# Allegro board RK3588S_Template_LP4XD556P164SD10H2_33X33_2133MHz_H1R0_V10_20220315YWQ.brd (continued)
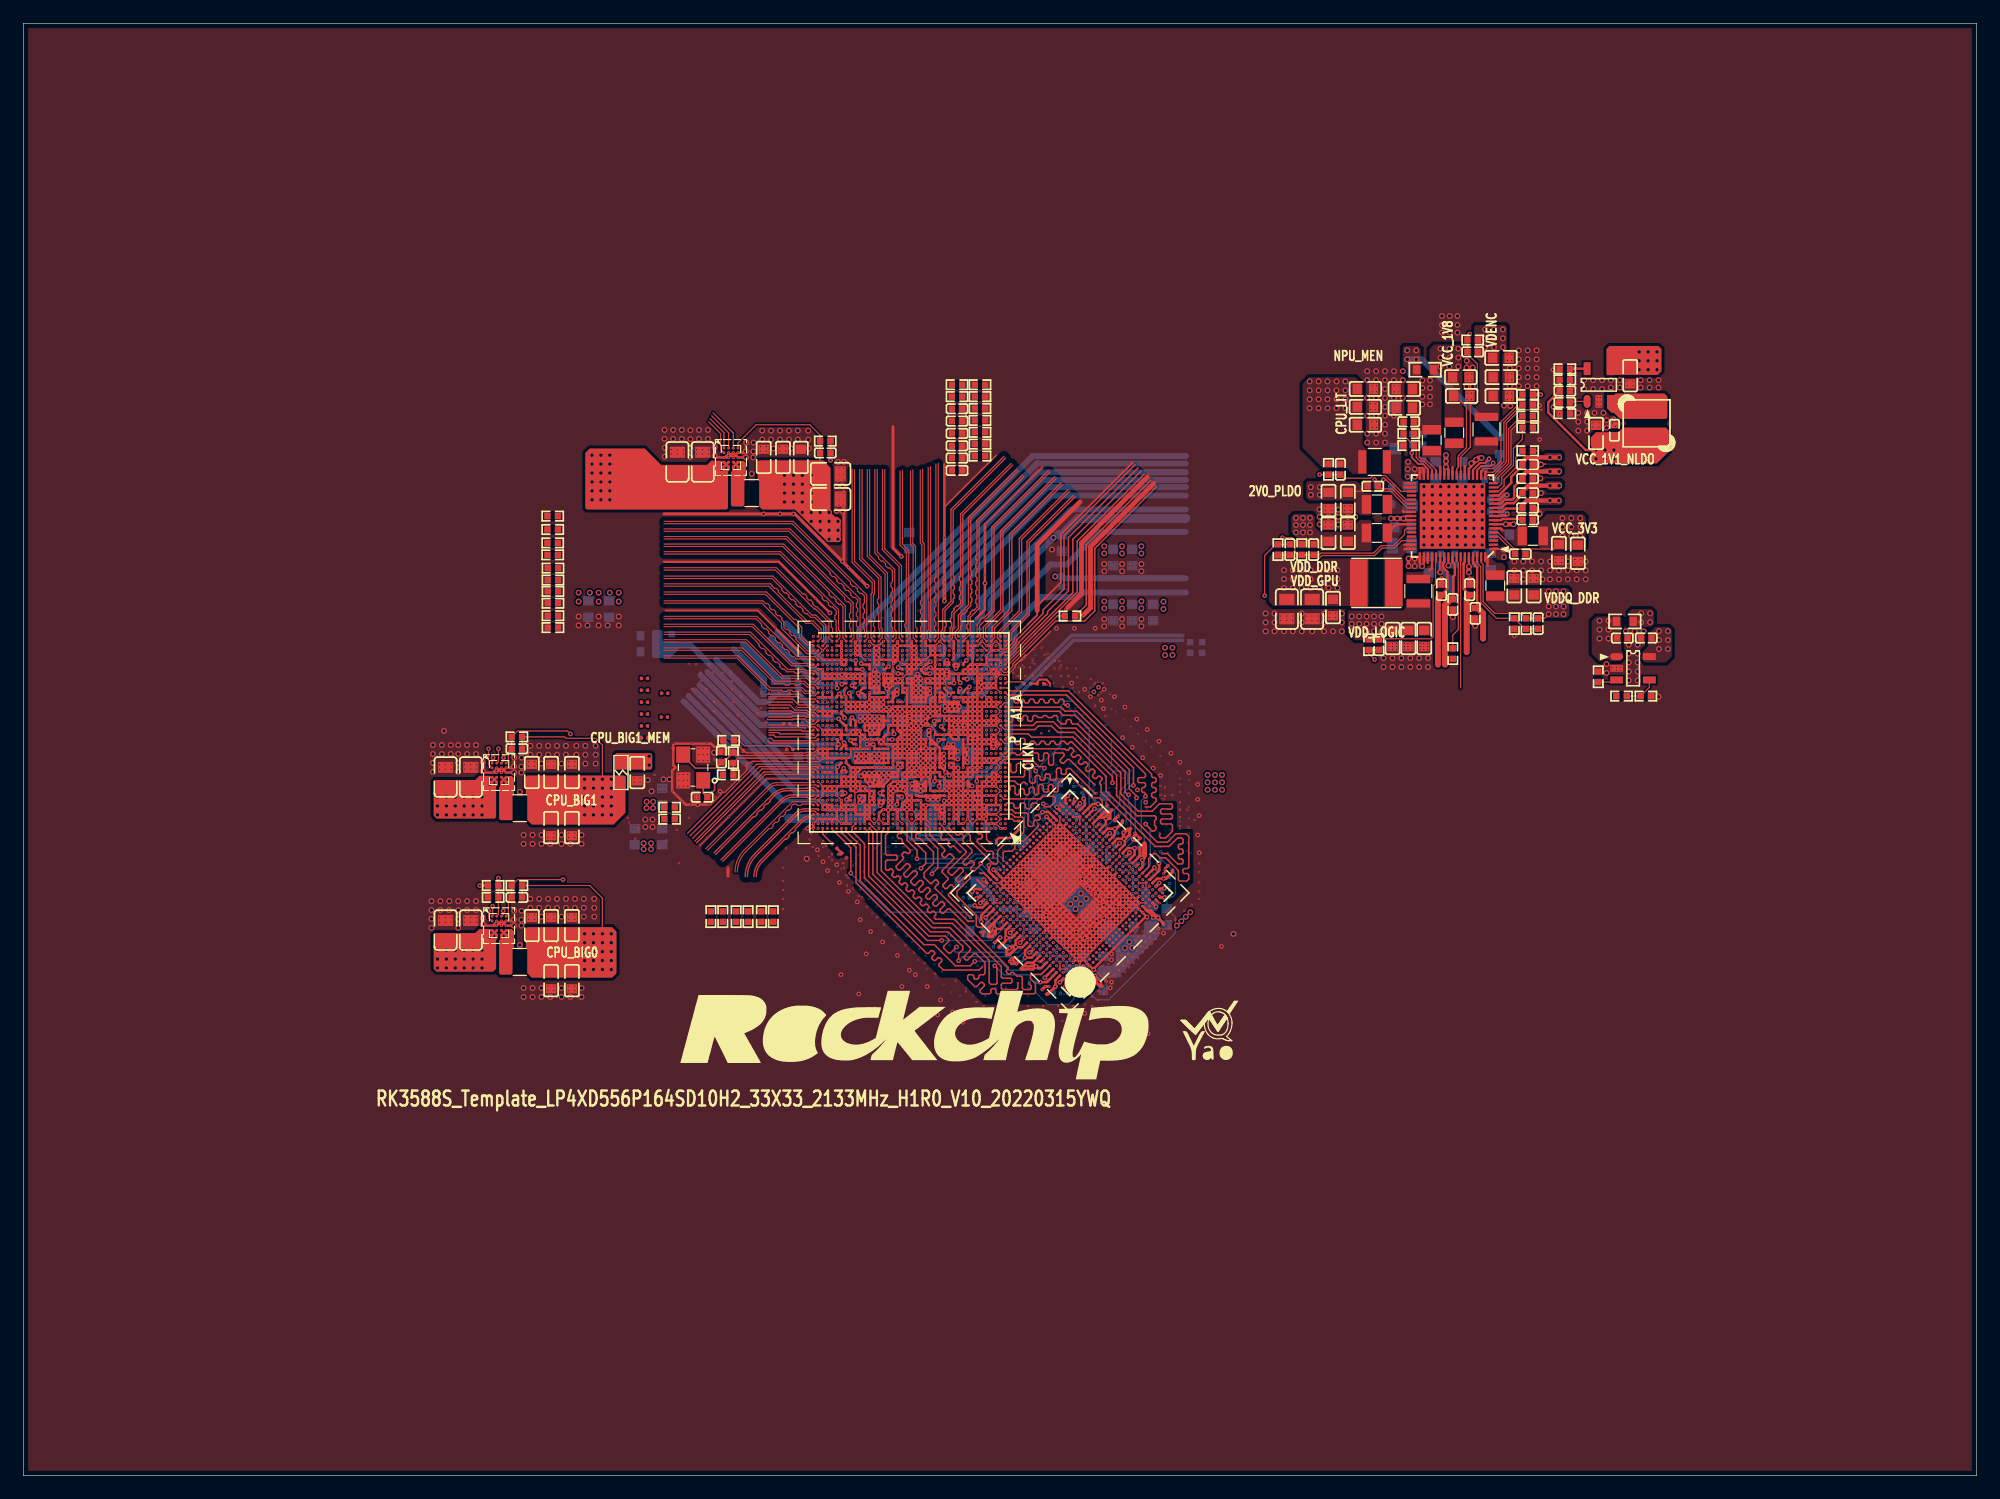
[diagram p0: board, top side]
## Routing (per net, layer and track width the routed paths; a pad name or vN(x,y) marks a point on that pad's centre or on a via; arc(x,y) is an arc through that point) (continued)
  L3-S1 w0.076: v1(73.89,70.5) 74.14,70.75 74.14,72.56 73.94,72.77
  L3-S1 w0.102: 73.94,84.04 73.94,72.77
RK803_EN2_PRO: length 14.7
  L3-S1 w0.076: v1(75.09,70.1) 74.85,70.34 74.85,70.64 75.01,70.8 75.01,72.06 74.5,72.57 74.5,72.71
  L3-S1 w0.102: 74.5,72.71 74.35,72.87 74.35,84.4
RTC_32K_IN: length 13.6
  L3-S1 w0.076: 66.24,64.97 66.31,64.97 66.42,64.87 68.72,64.87 v1(69.09,64.5)
  L3-S1 w0.102: 66.24,64.97 65.18,64.97 63.18,66.97 62.88,66.97 60.89,68.96 57.36,68.96
RTC_INT_L: length 13.3
  L3-S1 w0.076: v1(69.49,64.1) 69.2,63.8 68.92,63.8 68.69,63.58 68.08,63.58 67.92,63.73 66.24,63.73
  L3-S1 w0.102: 57.36,65.98 60.64,65.98 62.89,63.73 66.24,63.73
SARADC_VIN0_BOOT: length 18.4
  L3-S1 w0.076: v1(78.29,70.5) 77.89,70.9 77.89,71.98 77.56,72.31 77.56,72.95
  L3-S1 w0.102: 77.56,72.95 77.56,73.53 77.32,73.78 77.32,77.46 77.67,77.81 77.67,82.81 76.99,83.5 76.99,88.08
SARADC_VIN1_KEY/RECOVERY: length 18
  L3-S1 w0.076: 79.05,72.57 79.05,71.27 79.09,71.23 v1(79.09,70.88)
  L3-S1 w0.102: 79.05,72.57 79.05,73.7 78.34,74.41 78.34,77.04 78.8,77.5 78.8,88.4
SARADC_VIN3_HP_HOOK: length 19.1
  L3-S1 w0.076: 78.64,72.57 78.64,72.54 78.72,72.46 78.72,70.47 v1(79.09,70.1)
  L3-S1 w0.102: 78.64,72.57 78.64,73.53 77.93,74.24 77.93,77.21 78.28,77.56 78.28,87.07 77.8,87.55 77.8,88.32
SARADC_VIN4_BATT_TC_L: length 18.1
  L3-S1 w0.076: 77.77,72.95 77.77,72.36 78.05,72.08 78.05,71.15 v1(78.29,70.9)
  L3-S1 w0.102: 77.24,88.24 77.24,84.38 77.24,84.38 77.24,83.53 77.88,82.9 77.88,77.73 77.52,77.38 77.52,73.86 77.77,73.62 77.77,72.95
SARADC_VIN5: length 17.6
  L3-S1 w0.076: 78.85,72.57 78.87,72.54 78.87,70.72 v1(79.09,70.5)
  L3-S1 w0.102: 78.85,72.57 78.85,73.61 78.13,74.33 78.13,77.13 78.55,77.54 78.55,87.55
SD_CLK: length 7
  TOP w0.107: U1000.AR1 84.2,69.21 84.2,69.32 85.3,70.41 88.33,73.45 R1320.1
SDIO_CLK_M1: length 1.5
  L3-S1 w0.076: v2(68.56,70.97) 69.09,70.44 v1(69.09,70.1)
  L8-S3 w0.102: v2(68.56,70.97) v3(68.56,71.35)
SDIO_CMD_M1_WIFI: length 10.6
  L3-S1 w0.076: v1(68.69,69.3) 68.43,69.57 67.97,69.57 66.24,71.29
  L3-S1 w0.102: 60.62,75.36 62.17,75.36 66.24,71.29
SDIO_D0_M1_WIFI: length 12.6
  L3-S1 w0.076: v1(69.09,68.9) 68.85,68.66 67.41,68.66 67.16,68.92 67.16,69.15 66.21,70.1
  L3-S1 w0.102: 58.7,73.44 62.86,73.44 66.21,70.1
SDIO_D1_M1_WIFI: length 13.2
  L3-S1 w0.076: 66.21,69.81 67,69.01 67,68.86 67.35,68.51 69.1,68.51 v1(69.49,68.9)
  L3-S1 w0.102: 66.21,69.81 62.81,73.2 58.46,73.2
SDIO_D2_M1_WIFI: length 10.8
  L3-S1 w0.076: v1(69.09,69.3) 68.67,69.72 68.13,69.72 67.28,70.56 67.26,70.56 66.58,71.24
  L3-S1 w0.102: 60.87,75.62 62.21,75.62 66.58,71.24
SDIO_D3_M1_WIFI: length 10.3
  L3-S1 w0.076: v1(68.27,69.32) 68.25,69.35 67.9,69.35 67.6,69.65 67.52,69.65 66.2,70.96
  L3-S1 w0.102: 66.2,70.96 62.06,75.11 60.36,75.11
SDMMC_CLK: length 14.3
  TOP w0.122: R1320.2 90.8,74.38 90.8,79.52 96.32,85.04
SDMMC_CMD: length 21
  TOP w0.107: 85.34,71.12 85.24,71.02 85.24,70.98 83.96,69.7 U1000.AU1
  TOP w0.122: 95.51,85.85 89.66,80 89.66,75.44 86.42,72.2 85.34,71.12
SDMMC_D0: length 21.2
  TOP w0.107: 84.87,71.28 84.81,71.22 84.81,71.13 84.06,70.38 83.77,70.38 U1000.AV2
  TOP w0.122: 94.98,86.38 88.91,80.31 88.91,75.76 87.12,73.97 87.12,73.66 84.87,71.41 84.87,71.28
SDMMC_D1: length 23.3
  TOP w0.107: 85.98,70.8 84.53,69.34 84.53,69.14 84.01,68.62 83.78,68.62 83.78,68.62 83.77,68.62 U1000.AR2
  TOP w0.122: 85.98,70.8 88.2,73.01 90.66,73.01 91.54,73.88 91.54,79.22 96.84,84.52
SDMMC_D2: length 20.8
  TOP w0.107: U1000.AV1 84.07,70.1 85.02,71.05 85.02,71.11 85.09,71.19
  TOP w0.122: 85.09,71.19 85.09,71.25 87.5,73.66 87.5,73.82 89.28,75.6 89.28,80.15 95.24,86.11
SDMMC_D3: length 21.2
  TOP w0.107: 85.56,71.03 85.43,70.9 85.43,70.84 83.89,69.3 U1000.AT1
  TOP w0.122: 85.56,71.03 86.46,71.92 90.04,75.5 90.04,79.84 95.78,85.58
SDMMC_DET_L: length 12.9
  L3-S1 w0.076: v1(69.09,64.1) 69,64.1 68.63,63.73 68.14,63.73 67.94,63.93 66.24,63.93
  L3-S1 w0.102: 57.36,66.28 60.72,66.28 63.07,63.93 66.24,63.93
SDMMC_PWREN: length 13.4
  L3-S1 w0.076: 73.05,72.57 73.05,72.52 73,72.47 73,70.64 73.49,70.14 v1(73.49,70.1)
  L3-S1 w0.102: 73.05,83.29 73.05,72.57
SL_PWREN: length 10.3
  L3-S1 w0.076: v1(68.69,70.5) 68.44,70.5 68.2,70.74 68.2,71.34 66.98,72.57
  L3-S1 w0.102: 66.98,72.57 61.78,77.76
SLEEP1_RESET1_DEVOFF1_VSEL1: length 22.8
  TOP w0.102: 122.79,67.31 122.79,78.11 122.8,78.12 U2200.62
  L3-S1 w0.076: v1(67.89,62.5) 67.86,62.47 66.52,62.47 66.2,62.79
  L3-S1 w0.102: 66.2,62.79 61.61,62.79 60.47,63.93 56.85,63.93
SPI2_CLK_M2: length 12.2
  L3-S1 w0.076: 66.24,63.32 67.83,63.32 68.04,63.12 68.45,63.12 68.67,62.9 v1(68.69,62.9)
  L3-S1 w0.102: 66.24,63.32 62.11,63.32 60.48,64.95 57.36,64.95
SPI2_MOSI_M2: length 13.5
  TOP w0.102: R1116.1 129.48,87.56
  L3-S1 w0.076: 66.14,62.38 66.39,62.13 68.32,62.13 v1(68.69,62.5)
  L3-S1 w0.102: 56.34,63.42 60.4,63.42 61.44,62.38 66.14,62.38
SPI4_MISO_M2_TP: length 10
  L3-S1 w0.076: v1(68.29,57.7) 68.24,57.64 66.59,57.64 66.2,57.25
  L3-S1 w0.102: 62.56,51.01 62.56,53.61 66.2,57.25
SPI4_MOSI_M2_TP: length 12.5
  L3-S1 w0.076: v1(68.29,59.3) 68.22,59.3 68,59.08 66.24,59.08
  L3-S1 w0.102: 66.24,59.08 65.99,59.08 65.01,58.1 65.01,57.78 61.16,53.94 61.16,51.01
SPK_CTL_H: length 19.5
  L3-S1 w0.076: v1(78.29,69.7) 78.44,69.84 78.44,70.28 78.57,70.42 78.57,72.31 78.44,72.44 78.44,72.57
  L3-S1 w0.102: 78.44,72.57 78.44,73.45 77.73,74.16 77.73,77.29 78.08,77.65 78.08,82.98 77.5,83.56 77.5,88.34
TP_INT_L: length 7.5
  L3-S1 w0.076: 66.24,55.28 66.24,55.34 67.38,56.47 v1(68.29,56.47)
  L3-S1 w0.102: 64.57,51.01 64.57,53.61 66.24,55.28
TP_RST_L: length 13.5
  L3-S1 w0.076: v1(68.69,59.7) 68.57,59.7 68.15,60.12 66.97,60.12 66.61,59.77 66.24,59.77
  L3-S1 w0.102: 66.24,59.77 65.81,59.77 64.86,58.82 59.26,53.21 59.26,52.16
TSADC_SHUT: length 12.5
  L3-S1 w0.076: 66.24,64.16 66.32,64.08 68,64.08 68.2,63.88 68.47,63.88 v1(68.69,64.1)
  L3-S1 w0.102: 57.36,66.59 60.79,66.59 63.22,64.16 66.24,64.16
TYPEC0_DP0_REXT: length 1.7
  L3-S1 w0.076: v1(79.89,70.5) 79.65,70.74 79.65,71.48 79.62,71.51 79.62,71.62 v2(79.67,71.68)
  L8-S3 w0.102: v3(79.38,71.86) 79.55,71.68 v2(79.67,71.68)
TYPEC0_OTG_DM: length 3.4
  L3-S1 w0.064: v1(80.29,70.9) 80.22,70.97 80.22,74.1 80.34,74.22
TYPEC0_OTG_DP: length 3.5
  L3-S1 w0.064: v1(79.89,70.9) 80.05,71.06 80.05,74.17 80.15,74.27
TYPEC0_OTG_VBUSDET: length 19.7
  L3-S1 w0.076: 79.27,72.57 79.27,72.48 79.2,72.41 79.2,71.33 79.34,71.19 79.34,70.14 79.71,69.77 79.96,69.77 80.29,70.1 v1(80.29,70.1)
  L3-S1 w0.102: 79.05,88.44 79.05,73.98 79.27,73.76 79.27,72.57
TYPEC0_SBU1: length 19
  L3-S1 w0.102: v1(81.09,71.3) 81.09,71.31 80.82,71.58 80.82,73.51 81.26,73.96 81.26,89.97
TYPEC0_SBU1_DC: length 17.5
  L3-S1 w0.076: v1(76.69,70.1) 76.3,70.5 76.3,71.03 76.44,71.18 76.44,72.74 76.23,72.95
  L3-S1 w0.102: 75.72,86.75 75.72,81.66 76.45,80.93 76.45,78.32 76.1,77.97 76.1,73.08 76.23,72.95
TYPEC0_SBU2: length 18.6
  L3-S1 w0.102: 81.51,90.07 81.51,73.86 81.06,73.41 81.06,71.73 v1(81.09,71.7)
TYPEC0_SBU2_DC: length 17.4
  L3-S1 w0.076: v1(77.09,70.5) 77.44,70.84 77.44,71.79 76.95,72.28 76.95,72.95
  L3-S1 w0.102: 76.33,87.01 76.33,81.91 77.06,81.18 77.06,78.07 76.71,77.71 76.71,73.52 76.95,73.29 76.95,72.95
TYPEC0_SSRX1N: length 16.2
  TOP w0.104: 85.5,85.37 81.66,81.53 81.66,74.1 80.9,73.34 80.9,71.91 U1000.BA10
TYPEC0_SSRX1P: length 16.6
  TOP w0.104: U1000.BB10 80.39,71.7 80.71,72.02 80.71,72.3 80.61,72.4 80.61,72.67 80.71,72.77 80.71,73.42 80.9,73.62 80.9,73.76 81.1,73.95 81.24,73.95 81.47,74.18 81.47,74.46 81.37,74.56 81.37,74.84 81.47,74.94 81.47,75.22 81.37,75.31 81.37,75.59 81.47,75.69 81.47,75.97 81.37,76.06 81.37,76.34 81.47,76.44 81.47,76.72 81.37,76.82 81.37,77.09 81.47,77.19 81.47,77.47 81.37,77.57 81.37,77.85 81.47,77.94 81.47,78.22 81.37,78.32 81.37,78.6 81.47,78.69 81.47,81.61 85.36,85.5
TYPEC0_SSRX2N: length 17.3
  TOP w0.104: U1000.BA13 79.37,71.58 79.37,72.36 79.5,72.49 79.5,73.67 80.26,74.43 80.26,82.08 84.52,86.34
TYPEC0_SSRX2P: length 17.4
  TOP w0.104: U1000.BB13 79.18,71.78 79.18,72.44 79.31,72.57 79.31,72.85 79.21,72.95 79.21,73.23 79.31,73.32 79.31,73.75 79.51,73.95 79.51,74.09 79.71,74.29 79.84,74.29 80.07,74.51 80.07,74.79 79.97,74.89 79.97,75.17 80.07,75.26 80.07,75.54 79.97,75.64 79.97,75.92 80.07,76.02 80.07,76.4 79.98,76.49 79.98,76.8 80.07,76.89 80.07,82.16 84.39,86.48
TYPEC0_SSTX1N: length 17
  TOP w0.104: 84.87,85.99 80.74,81.87 80.74,74.39 79.88,73.53 79.88,72.36 79.61,72.09 79.61,71.58 U1000.BA11
TYPEC0_SSTX1P: length 16.8
  TOP w0.104: U1000.BB11 79.81,71.78 79.81,72.02 80.08,72.28 80.08,72.56 80.17,72.66 80.17,72.94 80.08,73.04 80.08,73.45 80.27,73.65 80.41,73.65 80.61,73.85 80.61,73.98 80.94,74.31 80.94,74.59 81.03,74.69 81.03,74.97 80.94,75.07 80.94,75.35 81.03,75.44 81.03,75.72 80.94,75.82 80.94,76.1 81.03,76.19 81.03,76.47 80.94,76.57 80.94,76.85 81.03,76.95 81.03,77.23 80.94,77.32 80.94,81.79 85,85.86
TYPEC0_SSTX2N: length 18.1
  TOP w0.104: U1000.BA14 78.49,71.51 78.49,71.51 78.41,71.58 78.41,71.82 78.42,71.82 78.42,72.15 78.55,72.28 78.55,73.99 79.25,74.7 79.25,82.55 83.78,87.08
TYPEC0_SSTX2P: length 17.8
  TOP w0.104: 83.92,86.94 79.44,82.47 79.44,76.87 79.54,76.77 79.54,76.49 79.44,76.4 79.44,76.12 79.54,76.02 79.54,75.74 79.44,75.65 79.44,75.37 79.54,75.27 79.54,74.99 79.44,74.89 79.44,74.62 78.74,73.91 78.74,72.95 78.84,72.85 78.84,72.57 78.74,72.48 78.74,72.2 78.61,72.07 78.61,71.78 U1000.BB14
TYPEC0_USB20_OTG_ID: length 0.7
  L3-S1 w0.102: v2(80.59,70.5) v1(80.29,70.5)
  L8-S3 w0.102: v2(80.59,70.5) 80.45,70.64 v3(80.45,70.87)
UART2_RX_M0: length 12.9
  L3-S1 w0.076: 66.48,66.48 66.81,66.15 68.24,66.15 v1(68.29,66.1)
  L3-S1 w0.102: 66.48,66.48 66.37,66.48 61.89,70.96 57.36,70.96
UART2_TX_M0: length 13.4
  L3-S1 w0.076: 66.55,66.66 66.89,66.32 68.38,66.32 68.6,66.1 v1(68.69,66.1)
  L3-S1 w0.102: 66.55,66.66 66.48,66.66 61.98,71.16 57.36,71.16
UART9_CTSN_M2_BT: length 12.5
  L3-S1 w0.076: v1(71.89,70.9) 71.74,71.05 71.74,71.93 71.99,72.18 71.99,72.57
  L3-S1 w0.102: 71.99,72.57 71.99,75.22 71.53,75.68 71.53,83.03
UART9_RTSN_M2_BT: length 12.8
  L3-S1 w0.076: v1(72.29,70.9) 71.9,71.3 71.9,71.87 72.21,72.18 72.21,72.57
  L3-S1 w0.102: 72.21,72.57 72.21,72.57 72.21,75.29 71.73,75.77 71.73,83.17
UART9_RX_M2_BT: length 13
  L3-S1 w0.076: 71.57,72.57 71.57,72.2 71.44,72.06 71.44,70.55 v1(71.89,70.1)
  L3-S1 w0.102: 71.57,72.57 71.57,75.06 71.12,75.51 71.12,82.66
UART9_TX_M2_BT: length 12.5
  L3-S1 w0.076: 72.44,72.57 72.44,72.51 72.54,72.4 72.54,70.75 v1(72.29,70.5)
  L3-S1 w0.102: 72.44,82.83 72.44,72.57
USB20_HOST0_DM: length 5.6
  L3-S1 w0.064: v1(81.89,70.1) 82.05,70.26 82.12,70.26 82.5,70.64 82.5,71.83 85.03,74.36
USB20_HOST0_DP: length 5.3
  L3-S1 w0.064: v1(81.89,70.5) 81.96,70.43 82.05,70.43 82.33,70.71 82.33,71.9 84.85,74.42
USB20_HOST1_DM: length 3.8
  L3-S1 w0.064: v1(81.48,70.51) 81.44,70.55 81.44,70.94 81.56,71.06 81.56,72.51 82.8,73.75
USB20_HOST1_DP: length 4.4
  L3-S1 w0.064: v1(81.48,70.1) 81.27,70.32 81.27,71.01 81.39,71.13 81.39,72.58 82.62,73.81
USB30_2_SSRXN: length 7.5
  TOP w0.107: U1000.C42 67.45,56.14 arc(67.38,56.19) 67.31,56.2 arc(66.93,56.12) 66.6,55.91 65.97,55.28 65.97,55.15 65.75,54.93 65.63,54.93 65.41,54.72 65.41,54.59 65.2,54.38 65.07,54.38 63.13,52.44 arc(62.75,51.86) 62.61,51.18
USB30_2_SSRXP: length 7.6
  TOP w0.107: U1000.D42 67.44,56.45 arc(67.38,56.41) 67.31,56.4 arc(66.85,56.31) 66.46,56.05 63.61,53.2 62.99,52.58 arc(62.57,51.94) 62.42,51.18
USB30_2_SSTXN: length 8.9
  TOP w0.107: U1000.D41 67.66,56.73 arc(67.61,56.77) 67.55,56.78 66.8,56.78 arc(66.44,56.71) 66.14,56.51 66.07,56.44 62.6,52.97 arc(62.05,52.15) 61.86,51.18
USB30_2_SSTXP: length 9.1
  TOP w0.107: U1000.E41 arc(67.81,56.96) 67.71,56.98 66.8,56.98 arc(66.37,56.89) 66,56.64 65.6,56.24 62.46,53.11 arc(61.87,52.22) 61.67,51.18
USB_AVDD_1V8: length 3.7
  TOP w0.203: 78.91,69.65 v4(78.89,69.67) ; 78.91,69.65 78.84,69.65 78.69,69.5 U1000.AT14 U1000.AT13 79.09,69.47 78.91,69.65
  BOTTOM w0.305: 78.55,70.1 78.55,69.74 C1406.1 78.61,69.67 v4(78.89,69.67)
  BOTTOM w0.508: 78.55,70.1 78.55,70.6 R1401.1 R1402.1
USB_HOST_PWREN_H: length 18.6
  L3-S1 w0.076: v1(75.09,69.7) 75.34,69.46 75.6,69.46 76.14,70 76.14,71.09 76.29,71.24 76.29,72.62 75.95,72.96
  L3-S1 w0.102: 75.95,72.96 75.9,73.01 75.9,78.05 76.25,78.4 76.25,80.72 75.51,81.46 75.51,86.53
VSEL2: length 13.8
  TOP w0.104: v4(40.09,48.64) 40.09,47.84 U2300.A1
  L3-S1 w0.076: 66.28,64.77 66.34,64.72 68.47,64.72 v1(68.69,64.5)
  L3-S1 w0.102: 66.28,64.77 64.5,64.77 61.02,68.25 57.36,68.25
VSEL3: length 16.3
  TOP w0.102: U2302.A1 59.85,89.12 58.67,90.3
  L3-S1 w0.076: v1(69.09,67.7) 68.74,68.05 67.1,68.05 66.21,68.95
  L3-S1 w0.102: 66.21,68.95 62.56,72.59 57.85,72.59
VSEL4: length 14.8
  L3-S1 w0.076: v1(69.89,65.7) 69.89,65.68 69.24,65.02 66.48,65.02 66.33,65.18 66.24,65.18
  L3-S1 w0.102: 57.36,69.74 61.34,69.74 65.9,65.18 66.24,65.18
VSEL5: length 13.9
  L3-S1 w0.076: 66.65,66.85 67.03,66.47 68.45,66.47 68.6,66.32 68.87,66.32 v1(69.09,66.1)
  L3-S1 w0.102: 57.36,71.36 62.06,71.36 66.57,66.85 66.65,66.85
VSEL6: length 4.6
  TOP w0.102: 63.69,66.35 65.73,66.35 66.23,65.85 67.34,65.85 U1000.AG42
  TOP w0.104: U2301.A1 40.04,61.12 40.13,61.21 v4(40.13,61.34)
WIFI_REG_ON_H: length 13
  L3-S1 w0.076: v1(68.29,67.3) 68.07,67.08 67.21,67.08 66.21,68.08
  L3-S1 w0.102: 57.36,71.97 62.32,71.97 66.21,68.08
WIFI_WAKE_HOST_H: length 13.7
  L3-S1 w0.076: v1(69.09,62.5) 68.56,61.97 67.47,61.98 66.29,61.98 66.09,62.18 65.99,62.18
  L3-S1 w0.102: 56.11,63.19 60.34,63.19 61.36,62.18 65.99,62.18
XIN: length 12.9
  TOP w0.102: 67.01,61.58 67.61,61.58 U1000.T41
  TOP w0.127: 67.01,61.58 66.96,61.53 60.91,61.53 R1102.2 60.12,61.25 59.94,61.25 C1112.1 59.15,60.45 57.4,60.45 56.38,61.48 Y1100.3
XOUT: length 8
  TOP w0.127: R1100.2 60.66,59.88 R1102.1 61.07,61.3 67.49,61.3 U1000.T42
N30600922: length 1.4
  TOP w0.122: U1000.A5 82.29,54.36 R1202.1
N30600936: length 1.7
  TOP w0.107: R1200.1 85.33,67.82 84.01,67.82 U1000.AM1
N30601110: length 1.2
  TOP w0.122: U1000.C1 84.49,56.1 84.66,55.93 R1201.1
N30601240: length 1.6
  TOP w0.122: U1000.A40 68.29,54.81 R1203.1
N30910269: length 2.5
  TOP w0.203: C2265.1 127.99,81.74 126.37,81.74 126.26,81.64 U2200.8
N30961579: length 7.5
  TOP w0.203: U2302.D4 60.65,86.2 U2302.E3 60.65,84.33 61.03,83.95 ; 61.03,83.95 61.05,83.97 U2302.E4 ; 61.03,83.95 60.65,84.32 ; 61.03,83.95 61.05,83.97 ; U2302.E4 61.51,86.19 61.59,86.11 ; U2302.E4 60.65,86.59 U2302.D3 ; 61.59,86.49 61.49,86.59 61.05,86.59
N30962042: length 2.4
  TOP w0.102: U2303.1 132.24,91.78 C2329.1 R2305.2
N30962062: length 3.4
  TOP w0.203: C2326.2 R2306.2 R2307.1 132.16,94.58 U2303.5
N30962978: length 7
  TOP w0.203: 41.78,59.18 41.69,59.27 U2301.E4 ; U2301.D3 U2301.E4 ; U2301.E4 41.24,57.05 41.22,57.02 40.84,57.4 U2301.E3 U2301.D4 41.68,59.67 41.78,59.56
N30963105: length 7
  TOP w0.203: 41.78,46.48 41.68,46.59 U2300.D4 U2300.E3 40.84,44.32 41.22,43.94 41.24,43.96 U2300.E4 ; U2300.E4 41.69,46.19 41.78,46.1 ; U2300.E4 U2300.D3
N31111434: length 3.9
  TOP w0.107: U1000.AB42 67.41,63.62 66.56,63.62 66.48,63.69 63.69,63.69
N31111436: length 4
  TOP w0.107: 63.69,64.82 65.63,64.82 65.71,64.9 66.8,64.9 66.89,64.81 67.19,64.81 U1000.AD42
N31111592: length 2.6
  TOP w0.107: R1309.1 65.61,64.1 66.96,64.1 67.08,63.98 67.61,63.98 U1000.AB41
N32124849: length 2.9
  TOP w0.102: R2309.2 R2310.1 138.92,67.35 U2304.4
N32124977: length 1.6
  TOP w0.102: R2311.1 135.94,67.8 U2304.3
N33168727: length 1.4
  L3-S1 w0.064: v2(86.99,47.5) 86.58,47.08 v1(86.58,46.96)
  L8-S3 w0.102: v3(86.74,47.75) v2(86.99,47.5)
  BOTTOM w0.102: R3718.2 86.7,47.79 v3(86.74,47.75)
N33169667: length 1.5
  L3-S1 w0.064: v1(94.78,50.63) 94.77,50.62 94.48,50.62 94.11,50.25 v2(94.11,50.25)
  L8-S3 w0.064: v3(94.16,49.94) 94.16,50.19 v2(94.11,50.25)
  BOTTOM w0.122: R3712.2 94.16,50.22 v3(94.16,49.94)
N33169678: length 2.3
  L3-S1 w0.064: v2(93.42,49.26) 93.73,49.56 93.88,49.56 94.5,50.18 v1(94.5,50.35)
  L8-S3 w0.064: v2(93.42,49.26) 93.22,49.46 v3(93.22,49.5)
  BOTTOM w0.122: R3714.2 93.22,49.71 v3(93.22,49.5)
N33169951: length 1.6
  L3-S1 w0.064: v2(88.95,45.11) 88.95,45.08 88.58,44.71 88.58,44.43 v1(88.56,44.41)
  L8-S3 w0.066: v2(88.95,45.11) 89.18,45.11 v3(89.26,45.03)
  BOTTOM w0.122: v3(89.26,45.03) 89.2,45.09 R3713.1
N33169953: length 2.3
  L3-S1 w0.064: v2(89.96,45.76) 89.92,45.76 89.63,45.47 89.63,45.3 89.02,44.69 v1(88.84,44.69)
  L8-S3 w0.066: v2(89.96,45.76) 89.74,45.97 v3(89.71,45.97)
  BOTTOM w0.122: R3715.1 89.48,45.97 v3(89.71,45.97)
N33169993: length 0.7
  L3-S1 w0.064: v2(94.55,49.77) 94.55,49.79 94.78,50.03 v1(94.78,50.07)
  L8-S3 w0.102: v3(94.84,49.74) 94.61,49.74 94.57,49.77 v2(94.55,49.77)
N33170017: length 0.7
  L3-S1 w0.066: v1(89.13,44.41) 89.37,44.65 v2(89.41,44.65)
  L8-S3 w0.102: v3(89.46,44.35) 89.46,44.6 v2(89.41,44.65)
N33173462: length 2.7
  L3-S1 w0.064: v2(89.02,53.84) 89.22,53.84 90.24,54.86 90.24,55.14 v1(90.26,55.16)
  L8-S3 w0.064: v3(89.38,53.95) 89.18,53.95 89.13,53.95 v2(89.02,53.84)
  BOTTOM w0.122: v3(89.38,53.95) 89.43,53.95 89.54,54.06 R3701.2
N33173464: length 1.7
  L3-S1 w0.064: v1(89.97,54.88) 89.49,54.39 v2(89.34,54.39)
  L8-S3 w0.064: v3(89.12,54.61) v2(89.34,54.39)
  BOTTOM w0.122: v3(89.12,54.61) 88.92,54.8 88.92,54.84 88.92,54.84 R3703.2
N33173504: length 1.3
  L3-S1 w0.064: v1(89.69,55.16) v2(89.47,54.93)
  L8-S3 w0.102: v3(90,54.57) 89.64,54.93 v2(89.47,54.93)
  BOTTOM w0.102: v3(90,54.57) R3706.2
N33173540: length 1.4
  L3-S1 w0.064: v1(92.24,52.61) 92.14,52.61 91.85,52.32 91.82,52.32 v2(91.69,52.2)
  L8-S3 w0.102: v3(91.44,52.45) v2(91.69,52.2)
  BOTTOM w0.122: v3(91.44,52.45) 91.4,52.49 R3708.2
N33173546: length 3.2
  L3-S1 w0.064: v2(90.93,51.43) 91.43,51.43 91.69,51.7 91.69,51.76 92.2,52.27 92.2,52.29 92.52,52.61 v1(92.52,52.9)
  L8-S3 w0.102: v2(90.93,51.43) 90.91,51.46 v3(90.91,51.82)
  BOTTOM w0.102: R3710.2 90.78,51.94 v3(90.91,51.82)
N33173586: length 1.3
  L3-S1 w0.064: v1(84.03,49.5) v2(84.26,49.73)
  L8-S3 w0.102: v2(84.26,49.73) 84.62,49.36 v3(84.62,49.19)
  BOTTOM w0.122: v3(84.62,49.19) R3707.1
N33173683: length 1.5
  L3-S1 w0.064: v2(84.8,49.85) 84.8,49.7 v1(84.32,49.22)
  L8-S3 w0.064: v3(84.58,50.08) v2(84.8,49.85)
  BOTTOM w0.122: R3704.1 84.39,50.27 v3(84.58,50.08)
N33173685: length 2.7
  L3-S1 w0.064: v1(84.03,48.94) 84.05,48.95 84.33,48.95 85.38,50 85.38,50.19 v2(85.4,50.21)
  L8-S3 w0.064: v2(85.4,50.21) 85.38,50.19 v3(85.38,49.91)
  BOTTOM w0.122: R3702.1 85.38,49.87 v3(85.38,49.91)
N33173757: length 3.1
  L3-S1 w0.066: v1(86.3,46.67) 86.58,46.67 86.9,46.99 86.91,46.99 87.31,47.39 87.37,47.39 87.68,47.7
  L3-S1 w0.102: 87.68,47.7 87.76,47.78 v2(87.76,48.26)
  L8-S3 w0.102: v3(87.38,48.29) 87.73,48.29 v2(87.76,48.26)
  BOTTOM w0.102: v3(87.38,48.29) 87.36,48.3 R3719.2
N64919975: length 4
  TOP w0.127: Y1100.1 58.08,58.32 C1111.1 59.05,58.58 59.05,59.17 R1100.1

## Copper pours and planes (outline as drawn; the poured copper is in the pictures)
GND on TOP: 126.24,94.87 126.24,91.95 127.13,91.06 127.51,91.06 127.63,91.19 127.63,94.74 127.38,95 126.36,95
GND on TOP, BOTTOM, L2-GND1, L3-S1, L4-POWER1, L5-POWER2, L6-S2, L7-GND2, L8-S3, L9-GND3: 0.41,0.41 0.41,123.67 166.47,123.67 166.47,0.41
VCC1V8_PMU_DDR_S3 on TOP: 119.38,96.27 119.38,94.11 119.25,93.98 118.11,93.98 117.86,94.23 117.86,96.39 117.98,96.52 119.13,96.52
VCC1V8_PMU_DDR_S3 on BOTTOM: 99.95,52.32 97.92,52.32 97.41,52.83 96.9,52.83 96.77,52.7 96.77,52.32 97.54,51.56 98.17,51.56 98.3,51.44 98.3,49.78 98.17,49.66 97.41,49.66 97.16,49.4 97.16,48.13 97.41,47.88 98.04,47.88 98.3,47.62 98.3,46.36 92.71,40.77 91.82,40.77 91.31,41.27 91.31,41.91 91.19,42.04 89.79,42.04 89.53,41.78 89.53,40.89 89.28,40.64 87.63,40.64 87.12,41.15 87.12,42.29 86.99,42.42 86.36,42.42 86.23,42.29 86.23,41.02 87.5,39.75 93.09,39.75 100.52,47.18 100.52,51.75
VCC1V8_PMU_DDR_S3 on L3-S1: 100.96,62.61 100.96,92.08 108.33,99.44 119.63,99.44 120.01,99.06 120.01,95.38 119.57,94.93 110.3,94.93 105.28,89.92 105.28,64.9 107.06,63.12 107.06,51.82 100.84,45.59 98.81,45.59 98.3,46.1 98.3,47.12 99.57,48.39 100.08,48.39 103.89,52.2 103.89,59.69
VCC1V8_PMU_DDR_S3 on L6-S2: 81.15,50.16 80.77,50.16 79.38,48.77 79.38,46.86 82.04,44.2 82.04,43.18 86.17,39.05 91,39.05 100.08,48.13 100.08,56.39 96.01,60.45 92.07,60.45 91.19,59.56 90.17,59.56 89.03,58.42 89.03,58.04 89.15,57.91 89.79,57.91 90.04,58.17 90.93,58.17 91.69,57.4 91.69,56.64 91.06,56.01 91.06,54.99 91.19,54.86 91.69,54.86 92.46,55.63 92.84,55.63 93.22,56.01 93.85,56.01 94.49,55.37 94.49,54.48 93.85,53.85 93.22,53.85 93.09,53.72 93.09,53.59 93.22,53.47 93.98,53.47 95.25,54.74 95.5,54.74 96.77,53.47 96.77,53.21 95.88,52.32 94.74,52.32 94.74,52.07 95,51.82 96.01,51.82 96.39,52.2 96.9,52.2 97.15,51.94 97.41,51.94 97.92,51.44 97.92,50.8 97.28,50.16 97.28,48.39 97.16,48.26 95.38,48.26 91.06,43.94 91.06,42.04 90.55,41.53 90.3,41.53 89.92,41.91 89.66,41.91 89.28,41.53 89.28,41.15 88.77,40.64 87.76,40.64 87.12,41.27 87.12,42.16 86.23,43.05 84.96,43.05 84.58,43.43 84.58,44.07 85.6,45.09 85.6,45.72 85.22,45.72 84.45,44.96 83.18,44.96 82.55,45.59 82.55,45.97 82.8,46.23 83.18,46.23 83.69,46.74 83.95,46.74 84.07,46.86 84.07,47.37 83.57,47.88 82.93,47.88 82.55,47.5 82.04,47.5 81.91,47.62 81.53,47.62 80.9,48.26 80.9,49.4 81.28,49.78 81.28,50.04
VCC_1V1_NLDO_S3 on TOP (solid shape): 140.59,89.28 140.59,87.5 139.57,86.49 134.24,86.49 133.98,86.74 133.98,88.77 134.37,89.15 135.12,89.15 135.13,89.15 135.25,89.13 135.38,89.15 135.39,89.15 136.27,89.15 136.65,89.53 140.33,89.53
VCC_1V1_NLDO_S3 on L3-S1: 130.94,89.03 135.64,89.03 136.27,88.39 136.27,86.61 135.76,86.11 134.87,86.11 129.54,80.77 126.24,80.77 126.11,80.9 126.11,84.2
VCC_1V8_S0 on BOTTOM (solid shape): 65.53,68.2 65.53,67.56 63.88,67.56 63.88,68.2 64.01,68.33 65.4,68.33
VCC_1V8_S0 on BOTTOM (solid shape): 71.5,58.16 71.6,58.14 71.7,58.16 71.71,58.17 71.75,58.17 72.01,57.91 72.01,57.81 71.97,57.74 71.95,57.68 71.95,57.56 72,57.45 72.01,57.44 72.01,57.4 72.14,57.28 72.39,57.28 72.52,57.4 73.28,57.4 73.41,57.28 73.41,57.15 73.28,57.02 73.02,57.02 71.75,55.75 69.98,55.75 69.85,55.88 69.85,56.39 69.98,56.51 70.66,56.51 70.71,56.5 70.75,56.49 70.86,56.49 70.91,56.5 70.97,56.52 71.12,56.52 71.25,56.64 71.25,57.6 71.27,57.63 71.27,57.84 71.25,57.86 71.25,58.04 71.37,58.17 71.5,58.17
VCC_1V8_S3 on TOP: 121.41,89.79 121.41,93.73 121.16,93.98 120.27,93.98 120.14,94.11 120.14,96.27 120.52,96.65 122.68,96.65 122.94,96.39 122.94,91.31 123.06,91.19 123.06,89.92 122.94,89.79
VCC_2V0_PLDO_S3 on TOP: 115.19,82.17 115.06,82.04 114.17,82.04 114.05,82.17 113.92,82.17 113.79,82.3 113.79,83.06 113.54,83.31 109.85,83.31 109.6,83.57 109.6,84.84 109.73,84.96 113.92,84.96 114.3,84.58 114.3,84.2 114.55,83.95 115.06,83.95 115.19,83.82
VCC_2V0_PLDO_S3 on L8-S3: 119.13,79.38 119.76,78.74 121.54,78.74 122.3,77.98 122.3,76.45 122.05,76.2 118.36,76.2 117.28,77.28 117.28,79.31 113.54,83.06 110.11,83.06 109.73,83.44 109.73,84.71 109.85,84.84 114.55,84.84 116.71,82.68 118.36,82.68 119.13,81.91
VCC_3V3_S0 on TOP: 136.4,73.41 134.37,73.41 133.98,73.03 133.98,70.23 134.62,69.6 136.4,69.6 136.65,69.85 136.65,70.36 136.52,70.48 136.52,73.28
VCC_3V3_S3 on TOP: 129.41,81.41 129.41,79.5 129.79,79.12 133.22,79.12 133.48,79.38 133.48,81.91 133.22,82.17 130.17,82.17
VCC_3V3_S3 on TOP: 138.56,69.47 140.33,69.47 140.84,69.98 140.84,72.26 140.59,72.52 139.45,72.52 138.81,71.88 138.81,70.87 138.18,70.23 138.18,69.85
VCC_SYSIN on TOP (solid shape): 139.95,96.27 139.95,94.36 139.64,94.04 135.95,94.04 135.94,94.03 135.33,94.03 135.25,94.11 135.25,96.27 135.51,96.52 139.7,96.52
VCC_SYSIN on TOP (solid shape): 39.75,58.93 40.39,58.93 40.39,56.26 40.26,56.13 35.31,56.13 35.05,56.39 35.05,59.31 35.18,59.44 38.61,59.44 38.96,59.79 39.75,59.79
VCC_SYSIN on TOP (solid shape): 39.75,45.85 40.39,45.85 40.39,43.31 40.13,43.05 35.31,43.05 35.05,43.31 35.05,46.23 35.18,46.36 38.61,46.36 38.96,46.71 39.75,46.71
VCC_SYSIN on TOP (solid shape): 54.48,86.36 58.42,86.36 58.77,86.71 59.56,86.71 59.56,85.85 60.2,85.85 60.2,82.68 60.07,82.55 48.13,82.55 48.01,82.68 48.01,87.38 48.39,87.76 53.09,87.76
VCC_SYSIN on TOP: 120.1,78.06 120.1,78.61 118.24,78.61 118.11,78.49 118.11,77.6 118.24,77.47 119.51,77.47
VCC_SYSIN on TOP: 118.24,85.09 119.75,85.09 119.75,86.12 119.63,86.23 119.25,86.23 118.62,86.87 118.11,86.87 117.98,86.74 117.98,85.34
VCC_SYSIN on TOP: 125.22,78.99 125.22,79.25 126.11,79.25 126.24,79.38 126.62,79.38 126.75,79.25 126.75,78.36 126.62,78.23 125.98,78.23
VCC_SYSIN on BOTTOM: 115.95,78.36 115.95,81.53 116.46,82.04 117.98,82.04 118.11,81.91 118.11,81.66 117.86,81.41 117.86,78.74 117.98,78.61 119,78.61 119.13,78.49 119.13,78.23 119.38,77.98 120.14,77.98 120.52,77.6 120.52,76.71 120.14,76.33 117.98,76.33
VCC_SYSIN on BOTTOM: 123.19,77.09 123.19,77.98 123.32,78.11 125.86,78.11 126.11,78.36 126.11,79.76 126.36,80.01 126.36,81.41 126.49,81.53 127.51,81.53 127.63,81.41 127.63,78.99 126.81,78.17 126.81,77.6 126.05,76.84 123.95,76.84 123.82,76.96 123.32,76.96
VCC_SYSIN on BOTTOM: 119.25,86.11 119.25,84.07 119.13,83.95 116.71,83.95 116.59,84.07 116.59,84.71 116.84,84.96 116.84,86.61 117.09,86.87 118.49,86.87
VCC_SYSIN on BOTTOM: 120.14,87.25 120.14,86.23 120.4,85.98 121.92,85.98 122.17,86.23 124.08,86.23 124.46,86.61 124.71,86.61 124.84,86.74 124.84,87.38 124.71,87.5 120.4,87.5
VCC_SYSIN on L5-POWER2: 116.59,84.71 116.59,76.2 117.22,75.56 117.22,53.47 102.87,39.12 43.18,39.12 41.66,40.64 41.66,74.04 50.42,82.8 50.42,87.63 50.16,87.88 37.59,87.88 26.8,77.09 26.8,24.89 35.18,16.51 130.68,16.51 149.22,35.05 149.22,96.14 148.72,96.65 133.35,96.65 129.16,92.46 123.82,92.46 116.59,85.22
VCCA_3V3_S0 on TOP: 137.16,73.79 137.16,72.52 139.06,72.52 139.32,72.77 139.32,73.79 139.06,74.04 137.41,74.04
VCCIO5 on L8-S3 (solid shape): 65.53,65.41 65.53,65.02 64.9,65.02 62.74,67.18 62.74,67.44 62.86,67.56 63.37,67.56
VCCIO5 on BOTTOM: 63.48,66.55 63.36,66.44 63.18,66.44 63.14,66.4 62.75,66.79 62.75,68.06 62.86,68.17 63.48,68.17
VCCIO_FLASH on BOTTOM (solid shape): 54.61,72.14 54.61,71.37 54.74,71.25 55.88,71.25 56.01,71.12 56.01,70.61 55.24,69.85 53.85,69.85 53.72,69.98 53.72,72.14 53.85,72.26 54.48,72.26
